# Altium PCB Isolation.PcbDoc
Units mm, origin at the board's own origin, x right, y up, seen from the top; angles counter-clockwise.
Board outline 100 x 100 mm, 2 copper layers (Top Layer, Bottom Layer); 13 components, 9 nets, 46 pads, 1 vias.
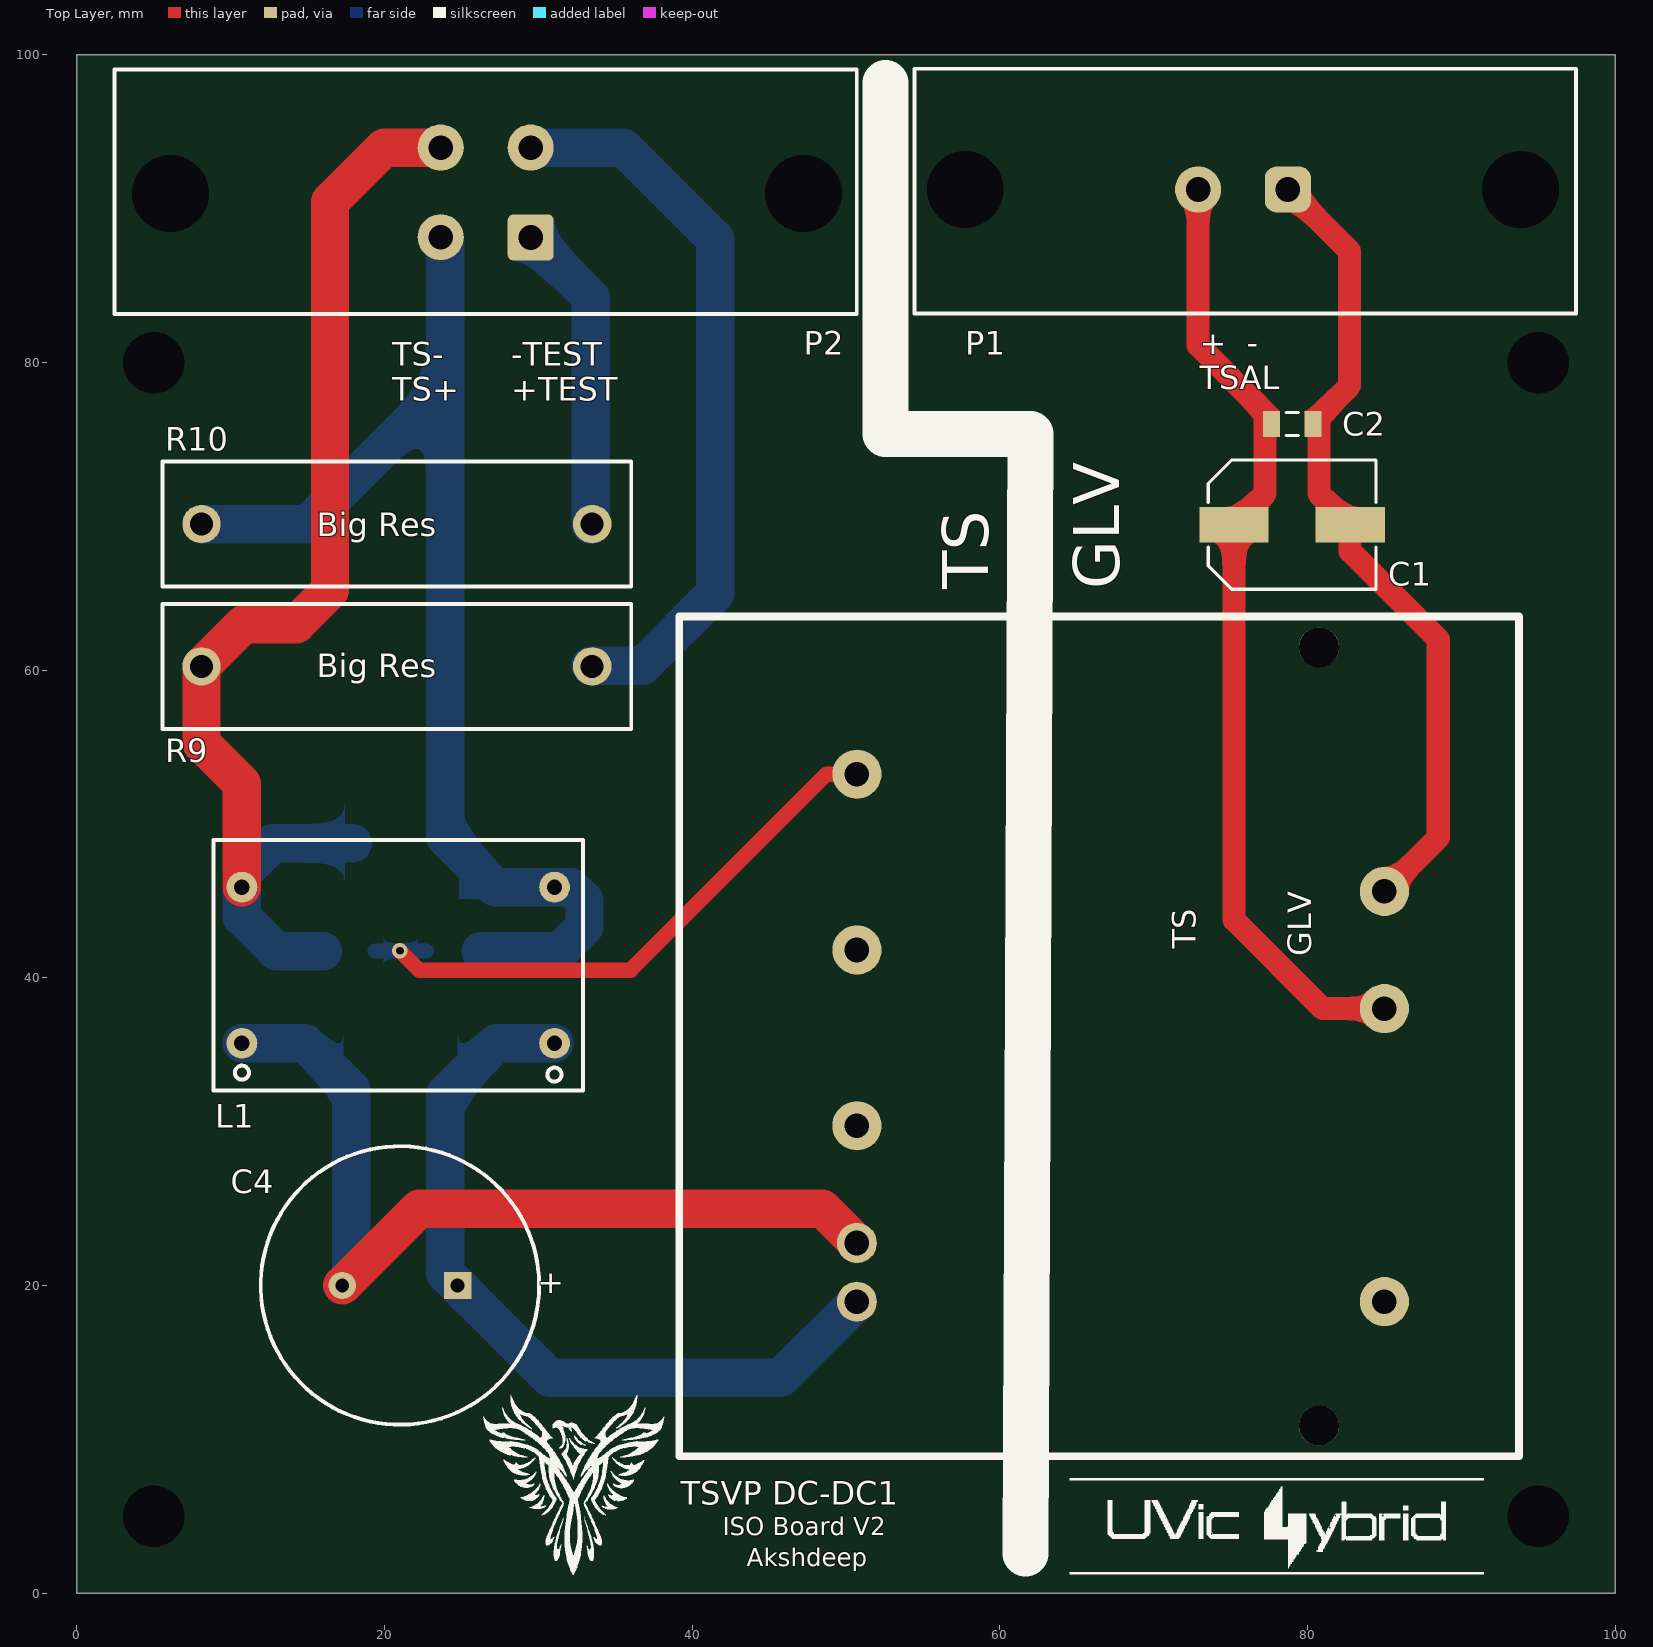
[diagram p0: Top Layer view]
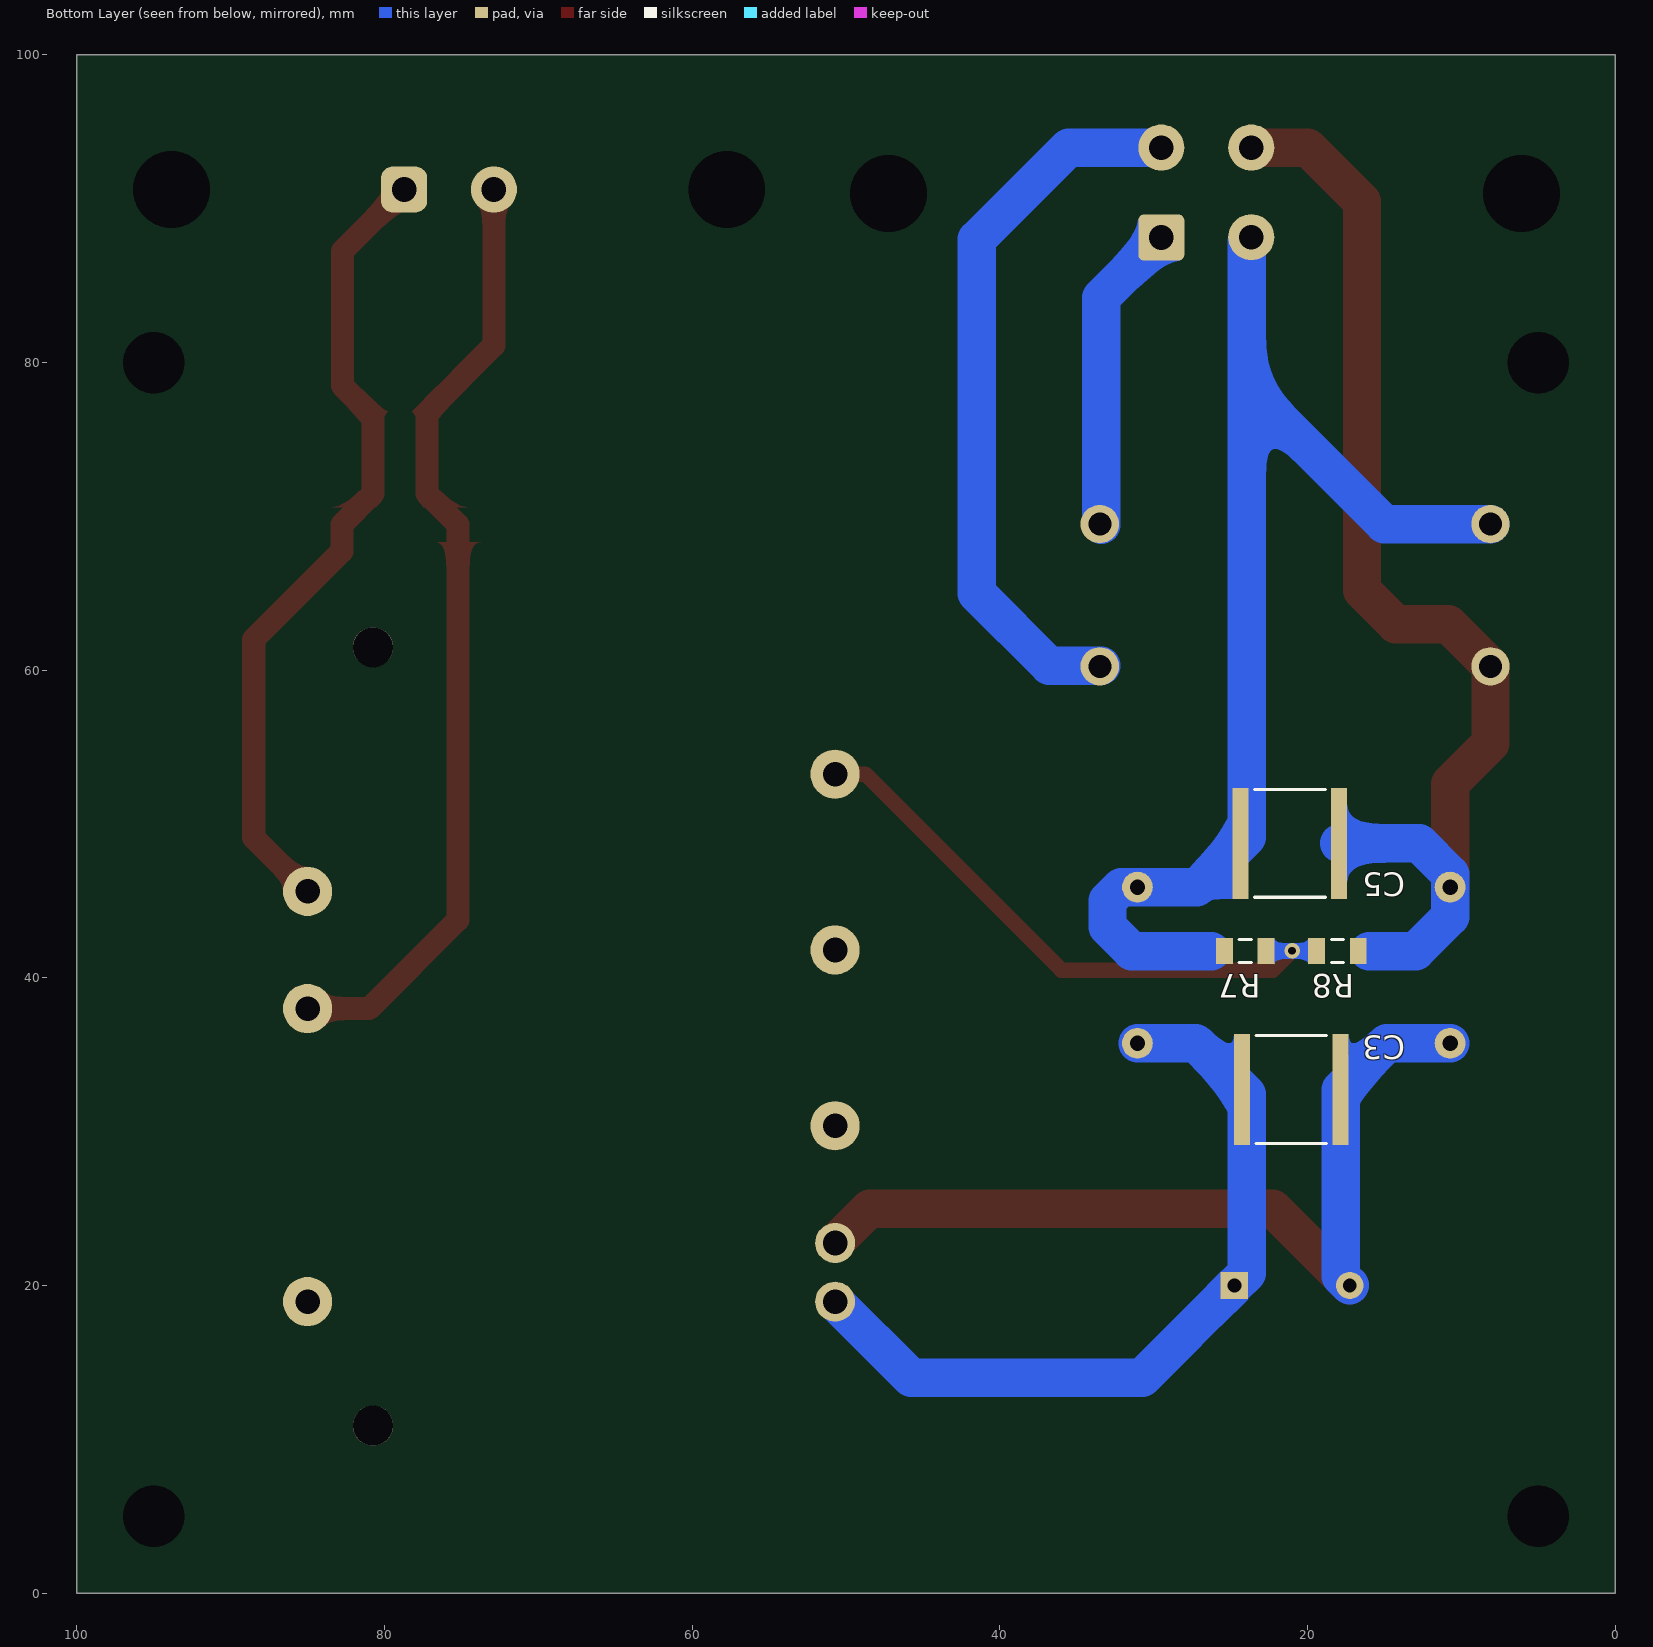
[diagram p1: Bottom Layer view, seen from below]
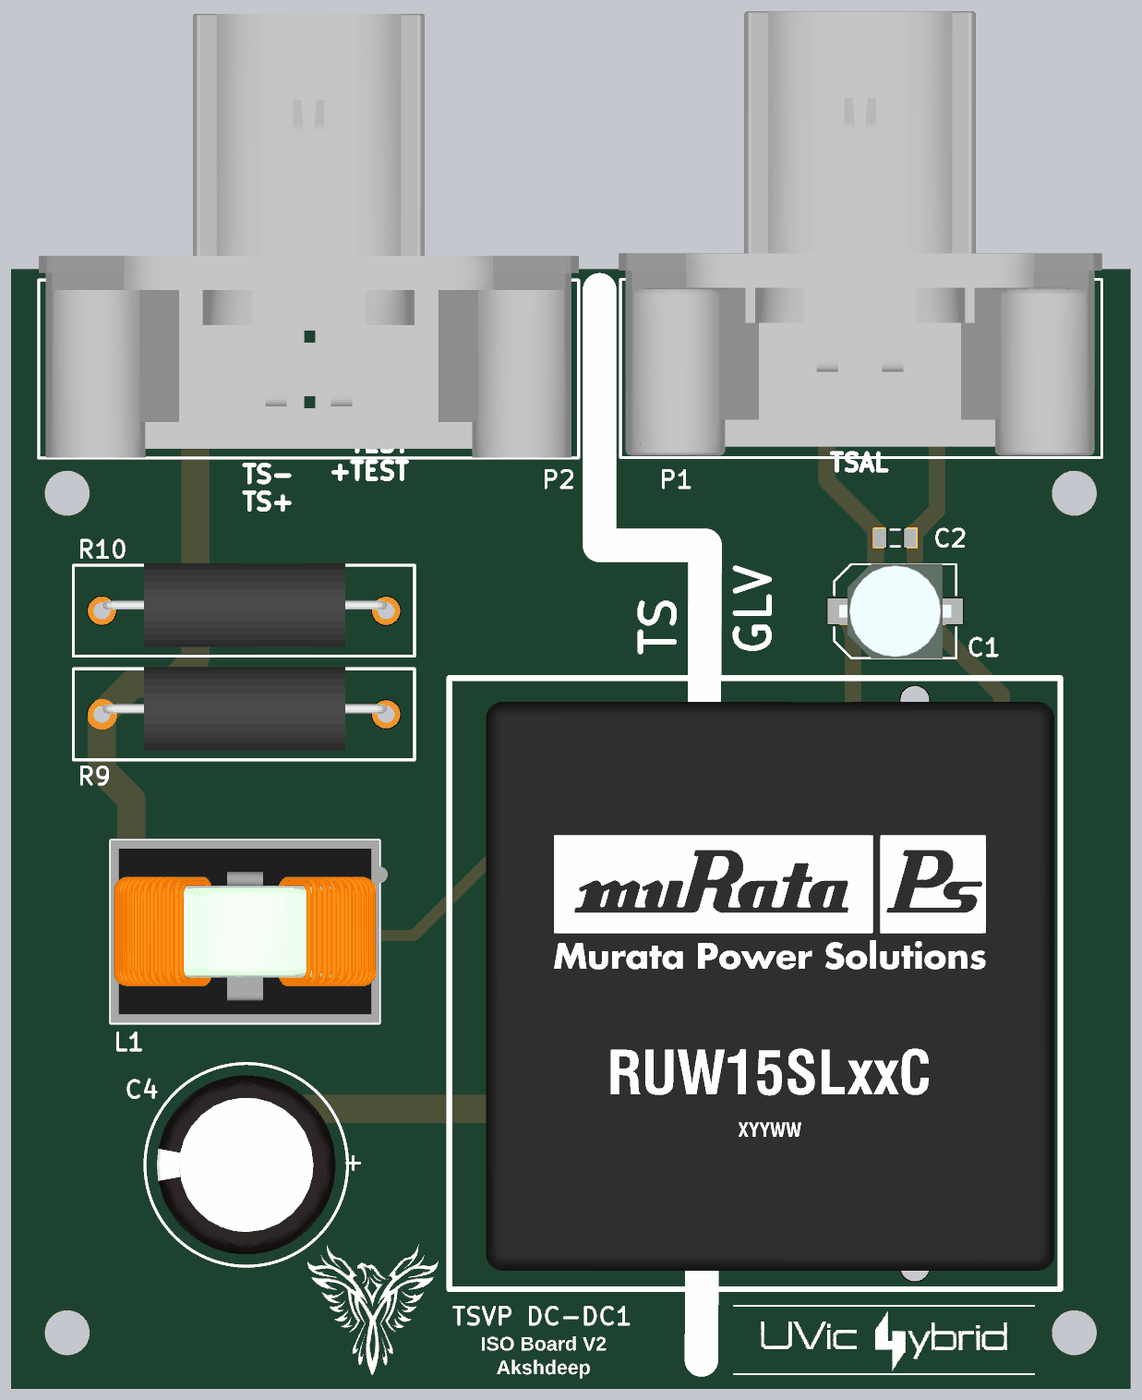
[diagram p2: 3D render of the assembled board from above, using the file's embedded part models]

## Layer stack, top to bottom
Top Solder: solder mask 0.0102, Solder Resist, Dk 3.5
Top Layer: signal copper 0.0356
Dielectric 1: dielectric 0.32, FR-4, Dk 4.8
Bottom Layer: signal copper 0.0356
Bottom Solder: solder mask 0.0102, Solder Resist, Dk 3.5

## Board outline
0,0 0,100 100,100 100,0

## Design rules (kind name [scope] priority, off if disabled: settings)
Clearance Clearance_2 [InNamedPolygon('GND TS') vs InNet('NetR9_2')] p1: gap=2.5 ignorepadtopadclearanceinfootprint=FALSE except(0: Arc-Arc Arc-Track Arc-SMDPad Track-Track Track-SMDPad SMDPad-SMDPad)
Clearance Clearance_1 [InNamedPolygon('GND TS') vs InNet('NetC3_1')] p2: gap=2.5 ignorepadtopadclearanceinfootprint=FALSE
Clearance [InNamedPolygon('GND TS') vs InNet('TS+')] p3: gap=2.5 ignorepadtopadclearanceinfootprint=FALSE
Clearance "Plane rule 1" [All] p4: gap=1.25 ignorepadtopadclearanceinfootprint=TRUE except(0: Arc-Hole Track-Hole THPad-Hole Via-Hole Fill-Hole Poly-Hole Region-Hole Text-Hole; 0.254: Arc-Text Track-Text SMDPad-Text THPad-Text Via-Text Fill-Text Poly-Text Region-Text Text-Text; 0.5: SMDPad-SMDPad SMDPad-THPad SMDPad-Via SMDPad-Hole)
Height [All] p1: minheight=0 maxheight=50 prefheight=12.7
HoleSize [All] p1: absolutevalues=TRUE maxlimit=4 minlimit=0.025 maxpercent=80.000 minpercent=20.000
PlaneClearance [All] p1: clearance=0.1
PlaneConnect [All] p1: planeconnectstyle=Relief reliefexpansion=1.5 reliefentries=4 reliefconductorwidth=1.5 reliefairgap=1.5
PolygonConnect PolygonConnect_1 [All vs InNet('GND')] p1: thpad.connectstyle=Direct thpad.reliefconductorwidth=0.254 thpad.reliefentries=4 thpad.polygonreliefangle="90 Angle" thpad.airgapwidth=0.254 smdpad.connectstyle=Direct smdpad.reliefconductorwidth=0.254 smdpad.reliefentries=4 smdpad.polygonreliefangle="90 Angle" smdpad.airgapwidth=0.254 via.connectstyle=Relief via.reliefconductorwidth=0.254 via.reliefentries=4 via.polygonreliefangle="90 Angle" via.airgapwidth=0.254
PolygonConnect [All] p2: connectstyle=NoConnect reliefconductorwidth=0.254 reliefentries=4 polygonreliefangle="90 Angle" airgapwidth=0.254
RoutingVias [All] p1: holewidth=0.5 width=2 viastyle="Through Hole" minholewidth=0.5 minwidth=1.5 maxholewidth=1 maxwidth=2.5
SilkToSolderMaskClearance [IsPad] p1: minsilkscreentomaskgap=0.2 clearancetoexposedcopper=TRUE
SolderMaskExpansion [All] p1: expansion=0.102
UnpouredPolygon [All] p1: allowunpoured=TRUE allowshelved=TRUE
Width [All] p1: maxlimit=2.5 minlimit=1 preferedwidth=1.5
24 further rules are at their usual default settings.

## Components (designator, comment, footprint, x,y, rotation, side; value= is the part's Value field where it differs from the comment)
C1 "220uF" EEE-1VA221UP 79,69.46 r0 top
C2 "C0603" C1206 79,76 r180 top value=0.1uF
C3 "C0603" "2225 Package" 21.05,32.74 r0 bottom value=1uF
C4 "100uF" NichiconCAP 21,20 r180 top
C5 "C0603" "2225 Package" 21.143,48.74 r0 bottom value=1uF
L1 "10mH" 52106C 10.73,35.74 r0 top
P1 "19427-0040" "MX150L 2pin" 54.45,83.198 r0 top
P2 "19427-0032" "MX150L 4pin" 2.45,83.15 r0 top
R7 "Res1" C1206 24.05,41.74 r0 bottom value=1.26M
R8 "20k" C1206 18.05,41.74 r0 bottom
R9 "10K 5W" "Res THRU Hole 10k 5W" 33.5,69.5 r180 top
R10 "10K 5W" "Res THRU Hole 10k 5W" 33.5,60.25 r180 top
"TSVP DC-DC1" "RUW15SL 12C" "RUW15SL 12C" 41.15,61.49 r0 top

## Footprints (in the part's own frame and the unit in brackets; to place one, negate y for a bottom-side part, rotate by r counter-clockwise, add the part's x,y. Pads: shape width x height; smd on the part's side, far side on the other; paste and mask are expansions set on the pad)
"2225 Package" [mm]
  rect 1.05x7.2 smd: 1(-3.2,0) 2(3.2,0)
  silkscreen extent -2.3,-3.5 2.3,3.5, body extent -2.67,-3.05 2.67,3.05, height 2.18
52106C [mm]
  round 2 hole 1: 1(0,0) 2(20.32,0) 3(20.32,10.16) 4(0,10.16)
  silkscreen extent -1.84,-3.07 22.16,13.23, body extent -1.83,-3.05 22.92,13.26, height 24.29
C1206 [mm]
  rect 1.1x1.7 smd: 1(-1.35,0) 2(1.35,0)
  silkscreen extent -0.4,-0.75 0.4,0.75, body extent -1.7,-0.9 1.7,0.9, height 1.3
EEE-1VA221UP [mm]
  rect 4.5x2.3 smd: 1(-3.775,0) 2(3.775,0)
  silkscreen extent -5.45,-4.2 5.45,4.2, body extent -5.01,-4.25 4.99,4.25, height 10.5
"MX150L 2pin" [mm] "19427-0040 MX150L 2pin"
  rrect50% 3x3 hole 1.6: 1(24.28,8.052)
  round 3 hole 1.6: 2(18.44,8.052)
  round 0 hole 5 unplated: 3(3.3,8.052) 3(39.4,8.052)
  silkscreen extent 0,0 43,15.9, body extent -0.18,0.17 43,39.83, height 30.2
"MX150L 4pin" [mm] "19427-00432 MX150L 4pin"
  rrect25% 3x3 hole 1.6: 1(27.05,4.975)
  round 3 hole 1.6: 2(21.2,5) 3(27.05,10.825) 4(21.2,10.825)
  round 0 hole 5 unplated: 5(3.63,7.83) 5(44.8,7.85)
  silkscreen extent 0,0 48.25,15.9, body extent 0.02,0.03 48.28,39.67, height 33.01
NichiconCAP [mm]
  rect 1.778x1.778 hole 0.9: 1(-3.75,0)
  round 1.778 hole 0.9: 2(3.75,0)
  silkscreen extent -9.05,-9.05 9.05,9.05, body extent -8,-8 8,8, height 25.02
"Res THRU Hole 10k 5W" [mm]
  round 2.5 hole 1.5: 1(25.4,0) 2(0,0)
  silkscreen extent -2.54,-4.06 27.94,4.06, body extent -0.02,-4.25 25.3,3.24, height 7.49
"RUW15SL 12C" [mm]
  round 3.2 hole 1.6: 1(9.56,-8.25)
  round 3.2 / inner round 2.6 / far side round 3.2 hole 1.6: 2(9.56,-19.68) 3(9.56,-31.11) 6(43.85,-42.54) 7(43.85,-23.49) 8(43.85,-15.87)
  round 2.6 hole 1.6: 4(9.56,-38.73) 5(9.56,-42.54)
  round 2.6 hole 2.6 unplated: B(39.6,0) D(39.6,-50.6)
  silkscreen extent -2,-52.6 52.6,2, body extent 1.27,-50.94 52.07,-0.12, height 21.31

## Part data
C1: library part "Cap Pol1", "Panasonic Electrolytic 35V, 20% EEE-1VA221UP", Supplier Part Number 1=PCE3955CT-ND
C2: "C0603C104K3RACTU", PackageDocument=Mar-2001, Supplier Part Number 1=720-1800-1-ND, Code_IPC="1608 [0603]", Code_JEITA=0603, ComponentLink1Description="Manufacturer Link", ComponentLink1URL=http://www.kemet.com/, ComponentLink2Description=Datasheet, ComponentLink2URL=http://www.kemet.com/kemet/web/homepage/kechome.nsf/vapubfilesname/F3102TA.pdf/$file/F3102TA.pdf, DatasheetDocument=Mar-2001, LatestRevisionDate=19-Mar-2004, LatestRevisionNote="Silkscreen size reduced.", Note="Footprint corresponds to dimensions for bulk cassette packaging. This case size has tightened tolerances.", PackageReference=0603, Published=17-Jul-2002, Publisher="Altium Limited"
C3 C5: library part C0603_1, "C0603C104K3RACTU", PackageDocument=Mar-2001, Supplier Part Number 1=720-1136-1-ND, Code_IPC="1608 [0603]", Code_JEITA=0603, ComponentLink1Description="Manufacturer Link", ComponentLink1URL=http://www.kemet.com/, ComponentLink2Description=Datasheet, ComponentLink2URL=http://www.kemet.com/kemet/web/homepage/kechome.nsf/vapubfilesname/F3102TA.pdf/$file/F3102TA.pdf, DatasheetDocument=Mar-2001, LatestRevisionDate=19-Mar-2004, LatestRevisionNote="Silkscreen size reduced.", Note="Footprint corresponds to dimensions for bulk cassette packaging. This case size has tightened tolerances.", PackageReference=0603, Published=17-Jul-2002, Publisher="Altium Limited"
C4: library part "Cap Pol1_1", "Nichicon 200V 100uF TH Capacitor  UCA2D101MHD6TN", Supplier Part Number 1=493-13261-1-ND
L1: library part "Trans Ideal", "MuRata 52106C Common Choke", Supplier Part Number 1=811-1257-ND, Code_IEC=1005, Code_JEITA=0402, LatestRevisionDate=29-May-2009, LatestRevisionNote="IPC-7351 Footprint Added.", PackageDescription="Chip Inductor", PackageReference=0402-A, Published=8-Jun-2000, Publisher="Altium Limited"
P1: library part "19427-0040 MX150L 2pin", "MX150L 2pin", Manufacturer_Name=Molex, Supplier Part Number 1=WM17504-ND, Manufacturer_Part_Number=19427-0040
P2: library part "19427-0032 MX150L 4pin_1", "MX150L 4pin", Manufacturer_Name=Molex, Supplier Part Number 1=WM17505-ND, Manufacturer_Part_Number=19427-0032
R7: "Resistor", Supplier Part Number 1=RMCF1206FT1M27CT-ND, LatestRevisionDate=17-Jul-2002, LatestRevisionNote="Re-released for DXP Platform.", PackageDescription="Axial Device, Thru-Hole; 2 Leads; 0.3 in Pin Spacing", PackageReference=AXIAL-0.3, Published=8-Jun-2000, Publisher="Altium Limited"
R8: library part ERJ6EN, "Precision Thick Film Chip Resistor, 10 Ohm to 2.2M Ohm Range, 1% Tolerance, 0805 Size, 0.1 W", PackageDocument=Mar-2003, Supplier Part Number 1=541-20.0KUCT-ND, Code_IPC="2012 [0805]", ComponentLink1Description="Manufacturer Link", ComponentLink1URL=http://www.panasonic.com/industrial/components/resistive_products.htm, ComponentLink2Description=Datasheet, ComponentLink2URL=http://www.panasonic.com/industrial/components/pdf/AOA0000CE2.pdf, LatestRevisionDate=19-Mar-2004, LatestRevisionNote="Silkscreen size reduced.", PackageReference=6-0805, Published=17-Dec-2003, Publisher="Altium Limited"
R9 R10: library part "Resistor 10kOhm 5W", Supplier Part Number 1=PPC5W10.0KCT-ND
"TSVP DC-DC1": Supplier Part Number 1=811-2783-ND, Note="5kV Isolation"

## Free pads (board coordinates)
  round 0 hole 4: "Screw hole"(5,5) "screw hole"(5,80) "Screw hole"(95,5) "Screw hole"(95,80)

## Via types
v1: diameter 1, hole 0.5, Top Layer to Bottom Layer, tented both sides, 1 vias

## Nets (pads, with @x,y where several pads share a name; then routed paths per layer and width w, separated by ;. In a path a pad name is that pad's centre, name@x,y a point inside that pad or via, vN(x,y) a via of type N, cw(c..) or ccw(c..) an arc to the next point about the centre after c; other vN are vias at no path point)
GND: "TSVP DC-DC1.8" C1.2 C2.1 P1.1 | length 52.8
  Top Layer w1.5: P1.1 82.745,87.235 82.745,78.495 80.75,76.5 80.75,71.485 C1.2 82.775,67.725 88.5,62 88.5,49.12 85,45.62
NetC3_1: "TSVP DC-DC1.4" C3.1 C4.2 L1.1 | length 57.8
  Top Layer w2.5: C4.2 22.25,25 48.47,25 50.71,22.76
  Bottom Layer w2.5: L1.1 14.85,35.74 C3.1 17.85,20.6 C4.2
NetC3_2: "TSVP DC-DC1.5" C3.2 C4.1 L1.2 | length 51.7
  Bottom Layer w2.5: L1.2 27.25,35.74 C3.2 23.945,32.435 23.945,20.805 C4.1 30.75,14 45.76,14 50.71,18.95
NetP2_1: P2.1 R9.2 | length 20.3
  Bottom Layer w2.5: P2.1 33.4,84.225 R9.2@33.4,69.46
NetP2_3: P2.3 R10.2 | length 47.5
  Bottom Layer w2.5: P2.3 35.525,93.975 41.5,88 41.5,65 36.8,60.3 R10.2@33.4,60.3
NetR7_1: "TSVP DC-DC1.1" R7.1 R8.2 | length 38.8
  Top Layer w1: v1(21,41.75) 22.25,40.5 36,40.5 48.74,53.24 50.71,53.24
  Bottom Layer w1: R8.2 R7.1
TS+: C5.2 L1.3 P2.2 R7.2 R9.1 | length 78.5
  Bottom Layer w2.5: R9.1 15,69.5 23.945,78.445 ; P2.2 23.945,87.855 23.945,78.445 ; 26.25,41.74 31.43,41.74 33,43.31 33,45 32.1,45.9 L1.3 27.183,45.9 C5.2 23.945,49.138 23.945,78.445
TS-: C5.1 L1.4 P2.4 R8.1 R10.1 | length 76.7
  Top Layer w2.5: L1.4 10.73,52.62 8.1,55.25 R10.1 10.85,63 14.25,63 16.455,65.205 16.455,90.455 19.975,93.975 P2.4
  Bottom Layer w2.5: 16,41.74 12.965,41.74 10.73,43.975 L1.4 10.73,46.73 12.74,48.74 C5.1
"TSVP 12V": "TSVP DC-DC1.7" C1.1 C2.2 P1.2 | length 62.3
  Top Layer w1.5: P1.2 72.89,81.11 77.25,76.75 77.25,71.485 C1.1 75.225,43.775 81,38 85,38
pads on no net: "TSVP DC-DC1.2" "TSVP DC-DC1.3" "TSVP DC-DC1.6" "TSVP DC-DC1.B" "TSVP DC-DC1.D" P1.3 P2.5

## Silkscreen, mask and mechanical layers (free items; w line width, h text height)
Top Overlay:
  drawing of 40 lines, arcs and shapes, not listed
  text "+  - / TSAL" at 73,78.25 h1.52
  text "TS- / TS+" at 20.5,77.5 h1.52
  text "-TEST / +TEST" at 28.25,77.5 h1.52
  text "TS" at 59.25,65.25 h3 r90
  text "GLV" at 67.75,65.25 h3 r90
  text "TS" at 72.753,41.896 h1.52 r90
  text "GLV" at 80.246,41.388 h1.52 r90
  text "ISO Board V2 /    Akshdeep" at 42,1.366 h2
Bottom Overlay:
Mechanical 1:
  the board outline again, w0.254

## Text inside footprints (layer, text, board x,y; h text height)
C4: Top Overlay "+" at 31.668,20.762 h1.52 r180
R9: Top Overlay "Big Res" at 15.6,68.7 h1.52
R10: Top Overlay "Big Res" at 15.6,59.54 h1.52